# KiCad board atreyu.kicad_pcb
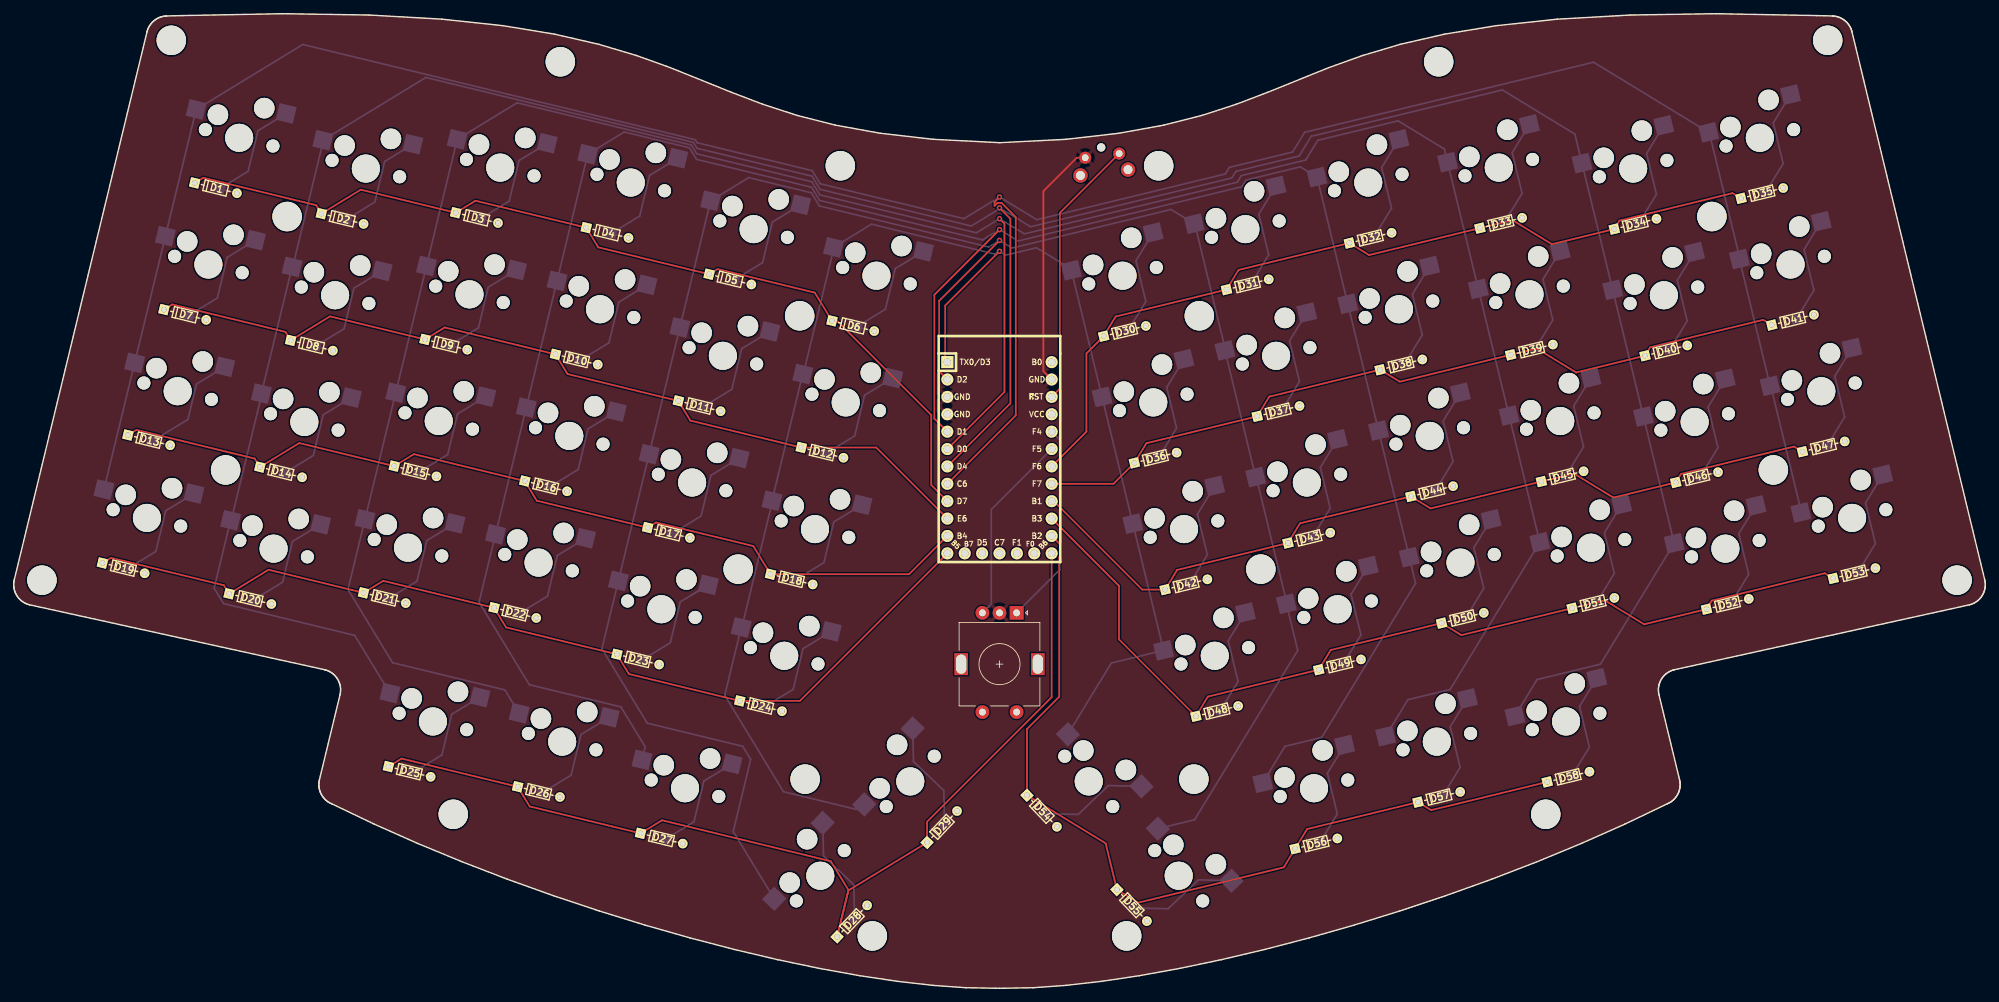
[diagram p0: board, top side]
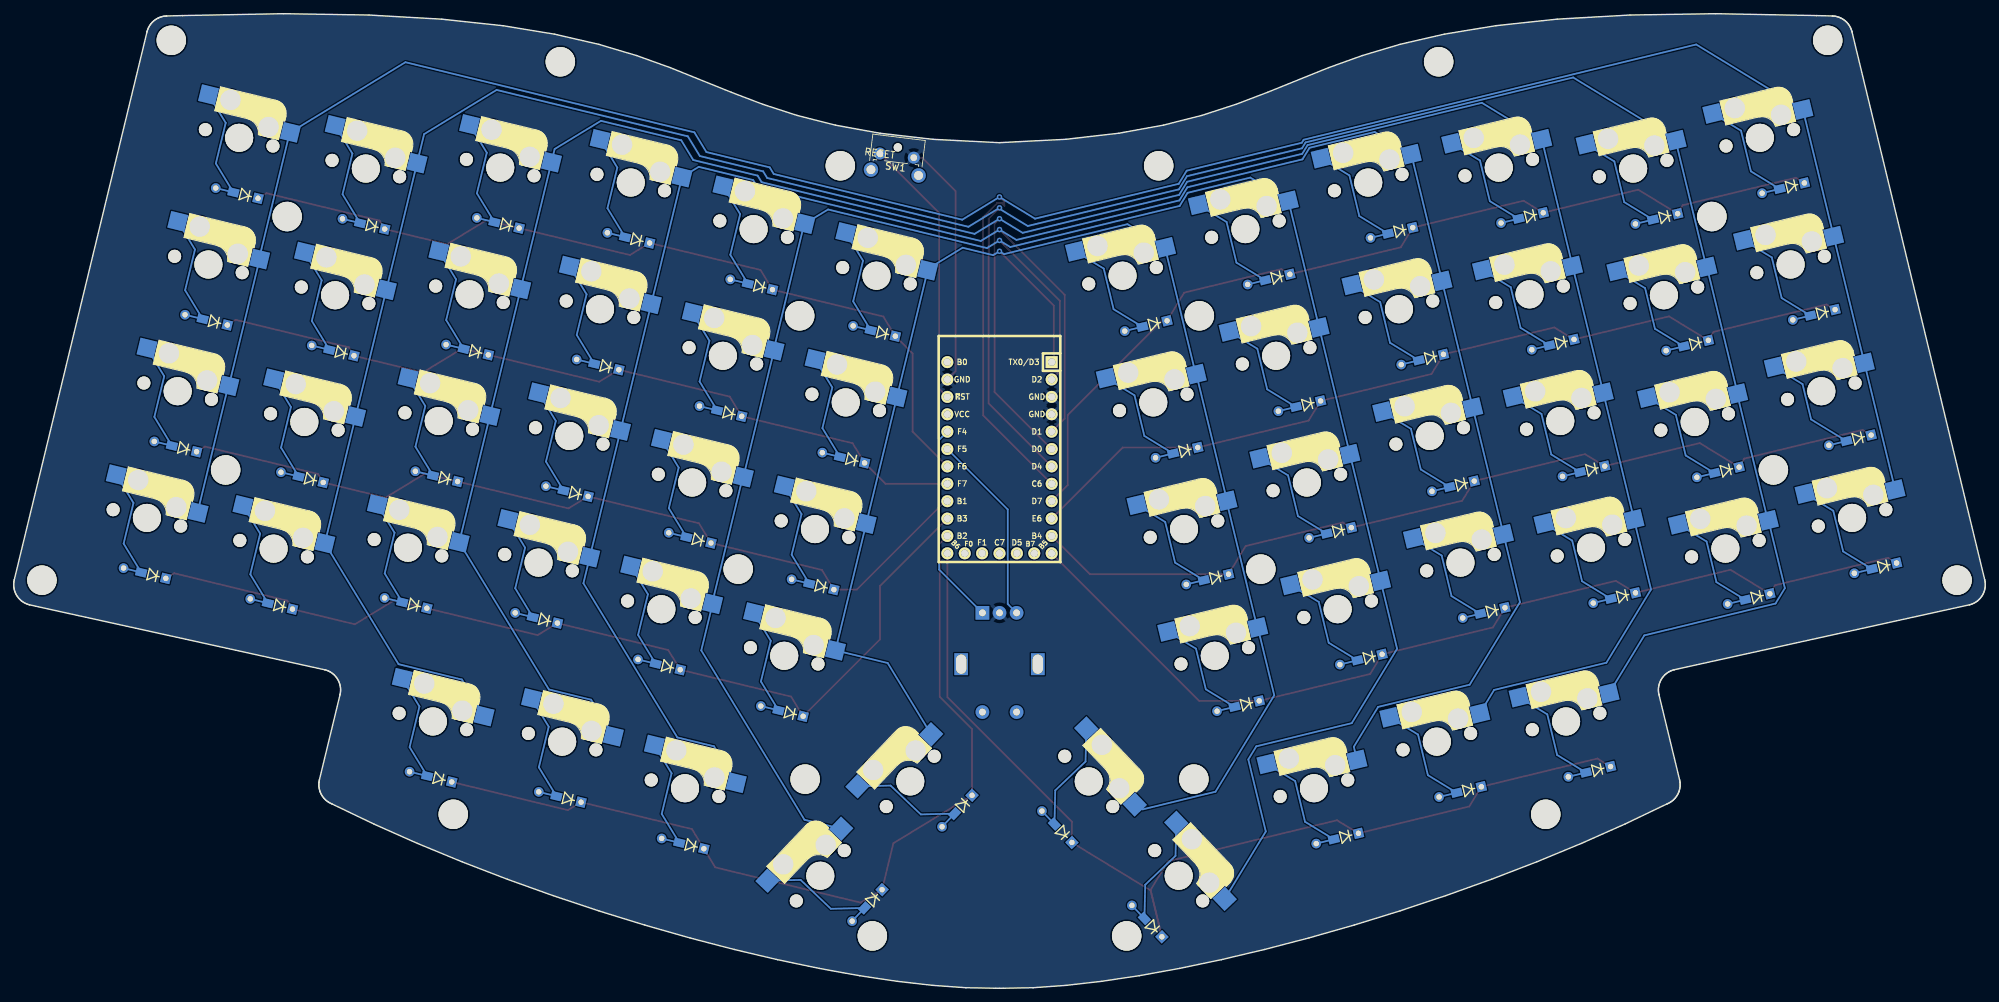
[diagram p1: board, bottom side, seen from below]

Outline 288.1 x 142.41 mm; copper layers: Top, Bottom. Coordinates in mm from the lower left corner of the outline.
Outline path: 0,58.94 0,59.09 0.01,59.24 0.03,59.39 0.05,59.54 0.09,59.7 19.48,139.76 19.52,139.89 19.55,140.01 19.6,140.13 19.64,140.24 19.69,140.36 19.75,140.47 19.81,140.58 19.87,140.68 19.94,140.78 20.02,140.88 20.09,140.98 20.17,141.07 20.25,141.16 20.34,141.25 20.43,141.33 20.52,141.41 20.62,141.48 20.72,141.55 20.82,141.62 20.93,141.68 21.04,141.74 21.14,141.79 21.26,141.84 21.37,141.89 21.49,141.93 21.61,141.97 21.73,142 21.85,142.02 21.97,142.05 22.1,142.06 22.23,142.07 22.35,142.08 24.68,142.14 39.38,142.41 51.92,142.22 62.54,141.61 71.51,140.66 79.07,139.41 85.49,137.94 91.03,136.29 95.94,134.53 104.91,130.91 109.48,129.17 114.45,127.56 120.08,126.13 126.63,124.94 134.35,124.06 144.05,123.57 153.75,124.06 161.47,124.94 168.02,126.13 173.65,127.56 178.62,129.17 183.19,130.91 192.16,134.53 197.07,136.29 202.6,137.94 209.03,139.41 216.59,140.66 225.56,141.61 236.18,142.22 248.71,142.41 263.42,142.14 265.75,142.08 265.87,142.07 266,142.06 266.13,142.05 266.25,142.02 266.37,142 266.49,141.97 266.61,141.93 266.73,141.89 266.84,141.84 266.95,141.79 267.06,141.74 267.17,141.68 267.28,141.62 267.38,141.55 267.48,141.48 267.57,141.41 267.67,141.33 267.76,141.25 267.84,141.16 267.93,141.07 268.01,140.98 268.08,140.88 268.16,140.78 268.22,140.68 268.29,140.58 268.35,140.47 268.4,140.36 268.46,140.24 268.5,140.13 268.55,140.01 268.58,139.89 268.62,139.76 288.01,59.7 288.05,59.54 288.07,59.39 288.09,59.24 288.1,59.09 288.1,58.94 288.09,58.79 288.08,58.64 288.06,58.49 288.03,58.35 288,58.2 287.96,58.06 287.91,57.93 287.85,57.79 287.79,57.66 287.73,57.53 287.65,57.4 287.58,57.28 287.49,57.16 287.4,57.05 287.31,56.94 287.2,56.83 287.1,56.73 286.99,56.63 286.87,56.54 286.75,56.46 286.62,56.38 286.49,56.31 286.36,56.24 286.22,56.18 286.08,56.12 285.93,56.08 285.78,56.03 242.65,46.55 242.5,46.51 242.35,46.46 242.21,46.4 242.07,46.34 241.93,46.28 241.8,46.2 241.68,46.12 241.56,46.04 241.44,45.95 241.33,45.85 241.22,45.75 241.12,45.65 241.03,45.54 240.94,45.42 240.85,45.3 240.77,45.18 240.7,45.05 240.64,44.92 240.57,44.79 240.52,44.66 240.47,44.52 240.43,44.38 240.4,44.24 240.37,44.09 240.35,43.94 240.34,43.8 240.33,43.65 240.33,43.5 240.34,43.34 240.36,43.19 240.38,43.04 240.42,42.89 243.42,30.48 243.45,30.34 243.48,30.21 243.49,30.07 243.5,29.93 243.51,29.8 243.51,29.66 243.5,29.53 243.49,29.39 243.47,29.26 243.44,29.13 243.41,29 243.37,28.87 243.33,28.75 243.29,28.63 243.23,28.5 243.18,28.39 243.11,28.27 243.05,28.16 242.97,28.05 242.9,27.94 242.81,27.83 242.73,27.73 242.64,27.64 242.54,27.54 242.44,27.45 242.34,27.37 242.23,27.29 242.11,27.21 242,27.14 241.88,27.08 241.75,27.01 241.62,26.96 235.46,24.01 229.1,21.18 222.58,18.49 215.96,15.94 209.27,13.54 202.57,11.31 195.89,9.24 189.29,7.36 182.8,5.67 176.48,4.19 170.38,2.91 164.52,1.85 158.97,1.02 153.77,0.43 148.96,0.09 144.05,0 139.13,0.09 134.33,0.43 129.12,1.02 123.57,1.85 117.72,2.91 111.61,4.19 105.3,5.67 98.81,7.36 92.21,9.24 85.53,11.31 78.83,13.54 72.14,15.94 65.51,18.49 59,21.18 52.64,24.01 46.47,26.96 46.35,27.01 46.22,27.08 46.1,27.14 45.98,27.21 45.87,27.29 45.76,27.37 45.66,27.45 45.56,27.54 45.46,27.64 45.37,27.73 45.28,27.83 45.2,27.94 45.13,28.05 45.05,28.16 44.99,28.27 44.92,28.39 44.86,28.5 44.81,28.63 44.77,28.75 44.72,28.87 44.69,29 44.66,29.13 44.63,29.26 44.61,29.39 44.6,29.53 44.59,29.66 44.59,29.8 44.59,29.93 44.61,30.07 44.62,30.21 44.65,30.34 44.68,30.48 47.68,42.89 47.71,43.04 47.74,43.19 47.76,43.34 47.77,43.5 47.77,43.65 47.76,43.8 47.75,43.94 47.73,44.09 47.7,44.24 47.67,44.38 47.63,44.52 47.58,44.66 47.52,44.79 47.46,44.92 47.4,45.05 47.32,45.18 47.24,45.3 47.16,45.42 47.07,45.54 46.97,45.65 46.87,45.75 46.77,45.85 46.66,45.95 46.54,46.04 46.42,46.12 46.29,46.2 46.16,46.28 46.03,46.34 45.89,46.4 45.75,46.46 45.6,46.51 45.45,46.55 2.32,56.03 2.17,56.08 2.02,56.12 1.88,56.18 1.74,56.24 1.6,56.31 1.47,56.38 1.35,56.46 1.23,56.54 1.11,56.63 1,56.73 0.89,56.83 0.79,56.94 0.7,57.05 0.61,57.16 0.52,57.28 0.44,57.4 0.37,57.53 0.3,57.66 0.24,57.79 0.19,57.93 0.14,58.06 0.1,58.2 0.07,58.35 0.04,58.49 0.02,58.64 0.01,58.79 0,58.94

## Placement (name value [footprint] x y rotation side)
D1  D_Small  [D3_hybrid_common_hole]  26.45 117.68 346.4 top
D2  D_Small  [D3_hybrid_common_hole]  44.96 113.19 346.4 top
D3  D_Small  [D3_hybrid_common_hole]  64.59 113.33 346.4 top
D4  D_Small  [D3_hybrid_common_hole]  83.67 111.15 346.4 top
D5  D_Small  [D3_hybrid_common_hole]  101.62 104.34 346.4 top
D6  D_Small  [D3_hybrid_common_hole]  119.57 97.54 346.4 top
D7  D_Small  [D3_hybrid_common_hole]  21.95 99.17 346.4 top
D8  D_Small  [D3_hybrid_common_hole]  40.47 94.68 346.4 top
D9  D_Small  [D3_hybrid_common_hole]  60.1 94.81 346.4 top
D10  D_Small  [D3_hybrid_common_hole]  79.18 92.64 346.4 top
D11  D_Small  [D3_hybrid_common_hole]  97.13 85.83 346.4 top
D12  D_Small  [D3_hybrid_common_hole]  115.08 79.02 346.4 top
D13  D_Small  [D3_hybrid_common_hole]  16.69 80.84 346.4 top
D14  D_Small  [D3_hybrid_common_hole]  35.97 76.17 346.4 top
D15  D_Small  [D3_hybrid_common_hole]  55.61 76.3 346.4 top
D16  D_Small  [D3_hybrid_common_hole]  74.68 74.12 346.4 top
D17  D_Small  [D3_hybrid_common_hole]  92.63 67.32 346.4 top
D18  D_Small  [D3_hybrid_common_hole]  110.59 60.51 346.4 top
D19  D_Small  [D3_hybrid_common_hole]  12.97 62.14 346.4 top
D20  D_Small  [D3_hybrid_common_hole]  31.48 57.65 346.4 top
D21  D_Small  [D3_hybrid_common_hole]  51.12 57.79 346.4 top
D22  D_Small  [D3_hybrid_common_hole]  70.19 55.61 346.4 top
D23  D_Small  [D3_hybrid_common_hole]  88.14 48.8 346.4 top
D24  D_Small  [D3_hybrid_common_hole]  106.09 42 346.4 top
D25  D_Small  [D3_hybrid_common_hole]  54.76 32.4 346.4 top
D26  D_Small  [D3_hybrid_common_hole]  73.65 29.45 346.4 top
D27  D_Small  [D3_hybrid_common_hole]  91.6 22.65 346.4 top
D28  D_Small  [D3_hybrid_common_hole]  120.32 7.52 46.4 top
D29  D_Small  [D3_hybrid_common_hole]  133.47 21.31 46.4 top
D30  D_Small  [D3_hybrid_common_hole]  159.27 95.29 13.6 top
D31  D_Small  [D3_hybrid_common_hole]  177.22 102.1 13.6 top
D32  D_Small  [D3_hybrid_common_hole]  195.17 108.9 13.6 top
D33  D_Small  [D3_hybrid_common_hole]  214.25 111.08 13.6 top
D34  D_Small  [D3_hybrid_common_hole]  233.88 110.94 13.6 top
D35  D_Small  [D3_hybrid_common_hole]  252.4 115.44 13.6 top
D36  D_Small  [D3_hybrid_common_hole]  163.76 76.78 13.6 top
D37  D_Small  [D3_hybrid_common_hole]  181.71 83.58 13.6 top
D38  D_Small  [D3_hybrid_common_hole]  199.67 90.39 13.6 top
D39  D_Small  [D3_hybrid_common_hole]  218.74 92.57 13.6 top
D40  D_Small  [D3_hybrid_common_hole]  238.38 92.43 13.6 top
D41  D_Small  [D3_hybrid_common_hole]  256.89 96.92 13.6 top
D42  D_Small  [D3_hybrid_common_hole]  168.26 58.26 13.6 top
D43  D_Small  [D3_hybrid_common_hole]  186.21 65.07 13.6 top
D44  D_Small  [D3_hybrid_common_hole]  204.16 71.88 13.6 top
D45  D_Small  [D3_hybrid_common_hole]  223.23 74.05 13.6 top
D46  D_Small  [D3_hybrid_common_hole]  242.87 73.92 13.6 top
D47  D_Small  [D3_hybrid_common_hole]  261.38 78.41 13.6 top
D48  D_Small  [D3_hybrid_common_hole]  172.75 39.75 13.6 top
D49  D_Small  [D3_hybrid_common_hole]  190.7 46.56 13.6 top
D50  D_Small  [D3_hybrid_common_hole]  208.65 53.36 13.6 top
D51  D_Small  [D3_hybrid_common_hole]  227.72 55.54 13.6 top
D52  D_Small  [D3_hybrid_common_hole]  247.36 55.41 13.6 top
D53  D_Small  [D3_hybrid_common_hole]  265.87 59.9 13.6 top
D54  D_Small  [D3_hybrid_common_hole]  148.06 28.2 313.6 top
D55  D_Small  [D3_hybrid_common_hole]  161.2 14.42 313.6 top
D56  D_Small  [D3_hybrid_common_hole]  187.25 20.4 13.6 top
D57  D_Small  [D3_hybrid_common_hole]  205.2 27.21 13.6 top
D58  D_Small  [D3_hybrid_common_hole]  224.08 30.16 13.6 top
H1  MountingHole  [spacer_m2]  120.79 120.19 0 top
H2  MountingHole  [spacer_m2]  257.13 75.75 13.6 top
H3  MountingHole  [spacer_m2]  114.85 98.27 346.4 top
H4  MountingHole  [spacer_m2]  265.07 138.52 180 bottom
H5  MountingHole  [spacer_m2]  64.23 25.43 0 top
H6  MountingHole  [spacer_m2]  115.65 30.56 0 top
H7  MountingHole  [spacer_m2]  283.97 59.64 180 bottom
H8  MountingHole  [spacer_m2]  30.97 75.75 346.4 top
H9  MountingHole  [spacer_m2]  4.13 59.64 0 top
H10  MountingHole  [spacer_m2]  125.47 7.66 0 top
H11  MountingHole  [spacer_m2]  208.22 135.39 180 bottom
H12  MountingHole  [spacer_m2]  223.86 25.43 180 bottom
H13  MountingHole  [spacer_m2]  167.31 120.19 180 bottom
H14  MountingHole  [spacer_m2]  23.03 138.52 0 top
H15  MountingHole  [spacer_m2]  79.88 135.39 0 top
H16  MountingHole  [spacer_m2]  172.45 30.56 180 bottom
H17  MountingHole  [spacer_m2]  182.23 61.25 13.6 top
H18  MountingHole  [spacer_m2]  162.63 7.66 180 bottom
H19  MountingHole  [spacer_m2]  248.14 112.77 13.6 top
H20  MountingHole  [spacer_m2]  173.25 98.27 13.6 top
H21  MountingHole  [spacer_m2]  39.96 112.77 346.4 top
H22  MountingHole  [spacer_m2]  105.86 61.25 346.4 top
MX1  MX-NoLED  [CherryMX_Hotswap]  32.95 124.27 346.4 top
MX2  MX-NoLED  [CherryMX_Hotswap]  51.46 119.78 346.4 top
MX3  MX-NoLED  [CherryMX_Hotswap]  71.09 119.92 346.4 top
MX4  MX-NoLED  [CherryMX_Hotswap]  90.17 117.74 346.4 top
MX5  MX-NoLED  [CherryMX_Hotswap]  108.12 110.93 346.4 top
MX6  MX-NoLED  [CherryMX_Hotswap]  126.07 104.13 346.4 top
MX7  MX-NoLED  [CherryMX_Hotswap]  28.45 105.76 346.4 top
MX8  MX-NoLED  [CherryMX_Hotswap]  46.97 101.27 346.4 top
MX9  MX-NoLED  [CherryMX_Hotswap]  66.6 101.4 346.4 top
MX10  MX-NoLED  [CherryMX_Hotswap]  85.68 99.23 346.4 top
MX11  MX-NoLED  [CherryMX_Hotswap]  103.63 92.42 346.4 top
MX12  MX-NoLED  [CherryMX_Hotswap]  121.58 85.61 346.4 top
MX13  MX-NoLED  [CherryMX_Hotswap]  23.96 87.25 346.4 top
MX14  MX-NoLED  [CherryMX_Hotswap]  42.47 82.76 346.4 top
MX15  MX-NoLED  [CherryMX_Hotswap]  62.11 82.89 346.4 top
MX16  MX-NoLED  [CherryMX_Hotswap]  81.18 80.71 346.4 top
MX17  MX-NoLED  [CherryMX_Hotswap]  99.13 73.91 346.4 top
MX18  MX-NoLED  [CherryMX_Hotswap]  117.09 67.1 346.4 top
MX19  MX-NoLED  [CherryMX_Hotswap]  19.47 68.74 346.4 top
MX20  MX-NoLED  [CherryMX_Hotswap]  37.98 64.24 346.4 top
MX21  MX-NoLED  [CherryMX_Hotswap]  57.62 64.38 346.4 top
MX22  MX-NoLED  [CherryMX_Hotswap]  76.69 62.2 346.4 top
MX23  MX-NoLED  [CherryMX_Hotswap]  94.64 55.39 346.4 top
MX24  MX-NoLED  [CherryMX_Hotswap]  112.59 48.59 346.4 top
MX25  MX-NoLED  [CherryMX_Hotswap]  61.26 38.99 346.4 top
MX26  MX-NoLED  [CherryMX_Hotswap]  80.15 36.04 346.4 top
MX27  MX-NoLED  [CherryMX_Hotswap]  98.1 29.24 346.4 top
MX28  MX-NoLED  [CherryMX_Hotswap]  117.86 16.45 46.4 top
MX29  MX-NoLED  [CherryMX_Hotswap]  131.01 30.23 46.4 top
MX30  MX-NoLED  [CherryMX_Hotswap]  162.03 104.13 13.6 top
MX31  MX-NoLED  [CherryMX_Hotswap]  179.98 110.93 13.6 top
MX32  MX-NoLED  [CherryMX_Hotswap]  197.93 117.74 13.6 top
MX33  MX-NoLED  [CherryMX_Hotswap]  217 119.92 13.6 top
MX34  MX-NoLED  [CherryMX_Hotswap]  236.64 119.78 13.6 top
MX35  MX-NoLED  [CherryMX_Hotswap]  255.15 124.27 13.6 top
MX36  MX-NoLED  [CherryMX_Hotswap]  166.52 85.61 13.6 top
MX37  MX-NoLED  [CherryMX_Hotswap]  184.47 92.42 13.6 top
MX38  MX-NoLED  [CherryMX_Hotswap]  202.42 99.23 13.6 top
MX39  MX-NoLED  [CherryMX_Hotswap]  221.5 101.4 13.6 top
MX40  MX-NoLED  [CherryMX_Hotswap]  241.13 101.27 13.6 top
MX41  MX-NoLED  [CherryMX_Hotswap]  259.65 105.76 13.6 top
MX42  MX-NoLED  [CherryMX_Hotswap]  171.01 67.1 13.6 top
MX43  MX-NoLED  [CherryMX_Hotswap]  188.96 73.91 13.6 top
MX44  MX-NoLED  [CherryMX_Hotswap]  206.91 80.71 13.6 top
MX45  MX-NoLED  [CherryMX_Hotswap]  225.99 82.89 13.6 top
MX46  MX-NoLED  [CherryMX_Hotswap]  245.62 82.76 13.6 top
MX47  MX-NoLED  [CherryMX_Hotswap]  264.14 87.25 13.6 top
MX48  MX-NoLED  [CherryMX_Hotswap]  175.5 48.59 13.6 top
MX49  MX-NoLED  [CherryMX_Hotswap]  193.46 55.39 13.6 top
MX50  MX-NoLED  [CherryMX_Hotswap]  211.41 62.2 13.6 top
MX51  MX-NoLED  [CherryMX_Hotswap]  230.48 64.38 13.6 top
MX52  MX-NoLED  [CherryMX_Hotswap]  250.12 64.24 13.6 top
MX53  MX-NoLED  [CherryMX_Hotswap]  268.63 68.74 13.6 top
MX54  MX-NoLED  [CherryMX_Hotswap]  157.09 30.23 313.6 top
MX55  MX-NoLED  [CherryMX_Hotswap]  170.24 16.45 313.6 top
MX56  MX-NoLED  [CherryMX_Hotswap]  190 29.24 13.6 top
MX57  MX-NoLED  [CherryMX_Hotswap]  207.95 36.04 13.6 top
MX58  MX-NoLED  [CherryMX_Hotswap]  226.84 38.99 13.6 top
SW1  SW_Push  [SW_Tactile_SPST_Angled_MJTP1117]  161.54 121.98 187 bottom
SW2  RotaryEncoder_Switch  [RotaryEncoder_EC11]  144.05 47.37 270 top
U1  -  [Elite-C]  144.05 77.53 270 top

## Footprints (pads in the part's own frame, mm; a bottom-side part is the same pattern mirrored in y, then rotated)
CherryMX_Hotswap
  round 1.9 hole 1.9 unplated: (-5.08,0) (5.08,0)
  round 3 hole 3 unplated: (-3.81,2.54) (2.54,5.08)
  round 4.1 hole 4.1 unplated: (0,0)
  rect 2.55x2.5 smd far side: 1(-7.085,2.54) 2(5.842,5.08)
D3_hybrid_common_hole
  rect 1.4x1.4 hole 0.8: 1(0,0)
  rect 1.6x1.2 smd far side: 2(3.7,0)
  round 1.4 hole 0.8: 2(6.35,0)
Elite-C
  rect 1.753x1.753 hole 1.092: 1(-13.97,-7.62)
  round 1.753 hole 1.092: 2(-11.43,-7.62) 3(-8.89,-7.62) 4(-6.35,-7.62) 5(-3.81,-7.62) 6(-1.27,-7.62) 7(1.27,-7.62) 8(3.81,-7.62) 9(6.35,-7.62) 10(8.89,-7.62) 11(11.43,-7.62) 12(13.97,-7.62) 13(13.97,7.62) 14(11.43,7.62) 15(8.89,7.62) 16(6.35,7.62) 17(3.81,7.62) 18(1.27,7.62) 19(-1.27,7.62) 20(-3.81,7.62) 21(-6.35,7.62) 22(-8.89,7.62) 23(-11.43,7.62) 24(-13.97,7.62) 25(13.97,-5.08) 26(13.97,-2.54) 27(13.97,0) 28(13.97,2.54) 29(13.97,5.08)
RotaryEncoder_EC11
  rect 3.2x2 hole 2.8x1.5 unplated: (0,5.6) (0,-5.6)
  rect 2x2 hole 1: A(-7.5,2.5)
  round 2 hole 1: B(-7.5,-2.5) C(-7.5,0) S1(7,-2.5) S2(7,2.5)
spacer_m2
  round 4.3 hole 4.3 unplated: (0,0)
SW_Tactile_SPST_Angled_MJTP1117
  round 2.1 hole 1.3: (-1,-2.49) (6.01,-2.49)
  round 1.2 hole 1.2 unplated: (2.5,1.21)
  round 1.75 hole 0.99: 1(0,0) 2(5,0)

## Nets
GND: SW1.2 SW2.C U1.3 U1.4 U1.23
VCC: U1.21
COL0: MX1.1 MX7.1 MX13.1 MX19.1 MX35.1 MX41.1 MX47.1 MX53.1 U1.8
COL1: MX2.1 MX8.1 MX14.1 MX20.1 MX25.1 MX34.1 MX40.1 MX46.1 MX52.1 MX58.1 U1.7
COL2: MX3.1 MX9.1 MX15.1 MX21.1 MX26.1 MX33.1 MX39.1 MX45.1 MX51.1 MX57.1 U1.6
COL3: MX4.1 MX10.1 MX16.1 MX22.1 MX27.1 MX32.1 MX38.1 MX44.1 MX50.1 MX56.1 U1.5
COL4: MX5.1 MX11.1 MX17.1 MX23.1 MX28.1 MX31.1 MX37.1 MX43.1 MX49.1 MX55.1 U1.2
COL5: MX6.1 MX12.1 MX18.1 MX24.1 MX29.1 MX30.1 MX36.1 MX42.1 MX48.1 MX54.1 U1.1
ENCA: SW2.A U1.20
ENCB: SW2.B U1.19
ENCC: U1.24
ROW0: D1.1 D2.1 D3.1 D4.1 D5.1 D6.1 U1.9
ROW1: D7.1 D8.1 D9.1 D10.1 D11.1 D12.1 U1.10
ROW2: D13.1 D14.1 D15.1 D16.1 D17.1 D18.1 U1.11
ROW3: D19.1 D20.1 D21.1 D22.1 D23.1 D24.1 U1.12
ROW4: D25.1 D26.1 D27.1 D28.1 D29.1 U1.13
ROW5: D54.1 D55.1 D56.1 D57.1 D58.1 U1.14
ROW6: D48.1 D49.1 D50.1 D51.1 D52.1 D53.1 U1.15
ROW7: D42.1 D43.1 D44.1 D45.1 D46.1 D47.1 U1.16
ROW8: D36.1 D37.1 D38.1 D39.1 D40.1 D41.1 U1.17
ROW9: D30.1 D31.1 D32.1 D33.1 D34.1 D35.1 U1.18
Net-(D1-Pad2): D1.2 MX1.2
Net-(D2-Pad2): D2.2 MX2.2
Net-(D3-Pad2): D3.2 MX3.2
Net-(D4-Pad2): D4.2 MX4.2
Net-(D5-Pad2): D5.2 MX5.2
Net-(D6-Pad2): D6.2 MX6.2
Net-(D7-Pad2): D7.2 MX7.2
Net-(D8-Pad2): D8.2 MX8.2
Net-(D9-Pad2): D9.2 MX9.2
Net-(D10-Pad2): D10.2 MX10.2
Net-(D11-Pad2): D11.2 MX11.2
Net-(D12-Pad2): D12.2 MX12.2
Net-(D13-Pad2): D13.2 MX13.2
Net-(D14-Pad2): D14.2 MX14.2
Net-(D15-Pad2): D15.2 MX15.2
Net-(D16-Pad2): D16.2 MX16.2
Net-(D17-Pad2): D17.2 MX17.2
Net-(D18-Pad2): D18.2 MX18.2
Net-(D19-Pad2): D19.2 MX19.2
Net-(D20-Pad2): D20.2 MX20.2
Net-(D21-Pad2): D21.2 MX21.2
Net-(D22-Pad2): D22.2 MX22.2
Net-(D23-Pad2): D23.2 MX23.2
Net-(D24-Pad2): D24.2 MX24.2
Net-(D25-Pad2): D25.2 MX25.2
Net-(D26-Pad2): D26.2 MX26.2
Net-(D27-Pad2): D27.2 MX27.2
Net-(D28-Pad2): D28.2 MX28.2
Net-(D29-Pad2): D29.2 MX29.2
Net-(D30-Pad2): D30.2 MX30.2
Net-(D31-Pad2): D31.2 MX31.2
Net-(D32-Pad2): D32.2 MX32.2
Net-(D33-Pad2): D33.2 MX33.2
Net-(D34-Pad2): D34.2 MX34.2
Net-(D35-Pad2): D35.2 MX35.2
Net-(D36-Pad2): D36.2 MX36.2
Net-(D37-Pad2): D37.2 MX37.2
Net-(D38-Pad2): D38.2 MX38.2
Net-(D39-Pad2): D39.2 MX39.2
Net-(D40-Pad2): D40.2 MX40.2
Net-(D41-Pad2): D41.2 MX41.2
Net-(D42-Pad2): D42.2 MX42.2
Net-(D43-Pad2): D43.2 MX43.2
Net-(D44-Pad2): D44.2 MX44.2
Net-(D45-Pad2): D45.2 MX45.2
Net-(D46-Pad2): D46.2 MX46.2
Net-(D47-Pad2): D47.2 MX47.2
Net-(D48-Pad2): D48.2 MX48.2
Net-(D49-Pad2): D49.2 MX49.2
Net-(D50-Pad2): D50.2 MX50.2
Net-(D51-Pad2): D51.2 MX51.2
Net-(D52-Pad2): D52.2 MX52.2
Net-(D53-Pad2): D53.2 MX53.2
Net-(D54-Pad2): D54.2 MX54.2
Net-(D55-Pad2): D55.2 MX55.2
Net-(D56-Pad2): D56.2 MX56.2
Net-(D57-Pad2): D57.2 MX57.2
Net-(D58-Pad2): D58.2 MX58.2
Net-(SW1-Pad1): SW1.1 U1.22

Pads without a net: SW2 S1 S2; U1 25 26 27 28 29

## Via types
v1: diameter 0.8, hole 0.4, Top to Bottom, 6 vias

## Routing (per net, layer and track width the routed paths; a pad name or vN(x,y) marks a point on that pad's centre or on a via; arc(x,y) is an arc through that point)
GND: length 36.2
  Top w0.25: SW1.2 155.34,121.37 150.47,116.5 150.47,90.16 U1.23
COL0: length 400.2
  Top w0.25: v1(144.05,115.63) 143.32,114.9 143.32,114.34 143.75,114.76 144.35,114.76 146.43,112.68 146.43,83.72 U1.8
  Bottom w0.25: MX19.1 17.67,91.39 MX7.1 MX1.1 42.25,137.91 99.61,123.99 99.88,123.55 116.69,119.47 117.86,117.55 138.85,112.46 v1(144.05,115.63) 149.49,112.31 177.04,119 177.62,119.95 186.88,122.2 188.63,125.08 230.85,135.32 MX35.1 247.77,125.01 252.22,106.66 MX41.1 MX47.1 256.76,87.98 261.21,69.64 MX53.1
COL1: length 436.3
  Top w0.25: v1(144.05,114.04) 145.64,112.45 145.64,85.47 U1.7
  Bottom w0.25: 143.75,113.72 139.91,111.39 117.83,116.75 116.66,118.66 99.84,122.74 99.32,123.6 60.22,133.09 MX2.1 45.23,123.82 40.78,105.47 MX8.1 MX14.1 36.25,86.79 31.8,68.44 MX20.1 29.29,58.47 30.66,56.22 49.83,51.57 MX25.1 ; v1(144.05,114.04) 148.59,111.27 178,118.41 178.58,119.37 187.84,121.62 189.59,124.49 217.53,131.27 228.13,124.81 MX34.1 MX40.1 MX46.1 MX52.1 231.86,47.37 222.61,45.12 MX58.1
COL2: length 390.9
  Top w0.25: v1(144.05,112.45) 144.77,111.73 144.77,87.14 U1.6
  Bottom w0.25: MX57.1 203.72,42.17 209.89,43.67 MX51.1 MX45.1 MX39.1 MX33.1 209.05,122.63 202.29,126.76 190.55,123.91 188.8,121.03 179.39,118.75 178.81,117.79 147.68,110.24 v1(144.05,112.45) 140.66,110.39 117.8,115.94 116.63,117.85 99.81,121.93 99.04,123.21 73.56,129.39 MX3.1 MX9.1 MX15.1 MX21.1 48.85,58.28 55.37,47.58 71.78,43.6 MX26.1
COL3: length 351.5
  Top w0.25: U1.5 134.52,83.24 134.52,101.34 v1(144.05,110.87)
  Bottom w0.25: MX27.1 92.28,35.29 88.73,41.12 75.35,44.36 68,56.42 MX22.1 MX16.1 MX10.1 MX4.1 89.21,125.13 98.75,122.81 99.78,121.13 116.59,117.05 117.76,115.13 141.57,109.35 v1(144.05,110.87) 146.78,109.2 179.46,117.13 180.05,118.11 187.99,120.03 MX32.1 MX38.1 MX44.1 MX50.1 204.85,59.18 191.13,36.67 185.77,35.36 MX56.1
COL4: length 317.8
  Top w0.25: U1.2 135.23,90.16 135.23,100.46 v1(144.05,109.28)
  Bottom w0.25: MX28.1 105.14,22.91 107.69,33.44 106.52,35.36 92.58,38.74 85.95,49.62 MX23.1 MX17.1 MX11.1 MX5.1 107.39,118.46 116.56,116.24 117.73,114.32 142.47,108.32 v1(144.05,109.28) 145.87,108.17 169.1,113.8 MX31.1 172.6,111.67 177.05,93.32 MX37.1 MX43.1 181.58,74.64 186.03,56.29 MX49.1 187.63,49.37 172.55,24.63 MX55.1
COL5: length 230.8
  Top w0.25: v1(144.05,107.69) 136.11,99.75 136.11,91.82 U1.1
  Bottom w0.25: MX54.1 160.39,47.53 MX48.1 MX42.1 MX36.1 MX30.1 154.49,105.13 149.44,108.21 144.97,107.13 v1(144.05,107.69) 143.37,107.28 125.35,111.65 MX6.1 119.85,108.16 115.39,89.81 MX12.1 MX18.1 110.86,71.14 106.41,52.79 MX24.1 103.9,42.81 112.49,28.72 123.11,26.15 MX29.1
ENCA: length 29.6
  Bottom w0.25: U1.20 152.87,80.14 152.87,61.19 SW2.A
ENCB: length 28.1
  Bottom w0.25: SW2.B 142.85,56.16 142.85,69.98 U1.19
ROW0: length 135.7
  Top w0.25: D1.1 27.68,118.44 44.2,114.43 D2.1 50.71,116.7 D3.1 67.47,115.08 D4.1 85.42,108.27 D5.1 102.86,105.1 117.06,101.65 D6.1 120.31,97.54 134.07,83.77 134.07,73.53 U1.9
ROW1: length 126.7
  Top w0.25: D7.1 23.19,99.92 39.71,95.92 D8.1 46.22,98.18 D9.1 62.98,96.57 D10.1 80.93,89.76 D11.1 98.88,82.95 D12.1 126.04,79.02 U1.10
ROW2: length 130.8
  Top w0.25: D13.1 17.93,81.6 35.22,77.4 D14.1 41.72,79.67 D15.1 58.49,78.05 D16.1 76.44,71.25 D17.1 93.87,68.07 108.08,64.62 D18.1 130.84,60.51 U1.11
ROW3: length 140.3
  Top w0.25: U1.12 114.87,42 D24.1 89.9,45.93 D23.1 71.94,52.73 D22.1 53.99,59.54 D21.1 37.23,61.16 D20.1 30.73,58.89 14.21,62.9 D19.1
ROW4: length 151
  Top w0.25: U1.13 151.67,42.55 133.47,24.35 D29.1 121.96,14.3 D28.1 121.98,14.35 119.41,18.57 94.73,24.56 D27.1 75.4,26.58 D26.1 56.68,33.57 D25.1
ROW5: length 129.3
  Top w0.25: D58.1 207.11,26.04 D57.1 189,23.27 D56.1 185.59,17.68 164.32,12.52 D55.1 159.56,21.19 D54.1 148.06,37.88 152.78,42.6 152.78,62.97 152.87,63.06 152.87,64.9 U1.14
ROW6: length 138.6
  Top w0.25: U1.15 161.51,58.8 161.51,50.99 D48.1 174.5,42.63 D49.1 192.45,49.43 D50.1 211.53,51.61 D51.1 232.49,56.7 238.24,53.19 D52.1 248.11,56.64 264.64,60.65 D53.1
ROW7: length 123
  Top w0.25: U1.16 151.99,71.18 164.9,58.26 D42.1 170.01,61.14 D43.1 187.96,67.95 D44.1 207.03,70.12 D45.1 228,75.21 233.75,71.71 D46.1 243.62,75.16 260.14,79.17 D47.1
ROW8: length 114.4
  Top w0.25: U1.17 160.7,73.72 D36.1 165.52,79.65 D37.1 183.47,86.46 D38.1 202.54,88.64 D39.1 222.55,93.49 228.3,89.99 D40.1 239.13,93.67 255.65,97.68 D41.1
ROW9: length 123.2
  Top w0.25: U1.18 156.75,81.34 156.75,92.77 D30.1 161.02,98.16 D31.1 178.97,104.97 D32.1 198.05,107.15 D33.1 219.01,112.24 224.76,108.73 D34.1 234.64,112.18 251.16,116.19 D35.1
Net-(D1-Pad2): length 18.5
  Bottom w0.25: D1.2 D1.2 34.25,119.38 35.69,125.32 MX1.2
Net-(D2-Pad2): length 18.5
  Bottom w0.25: D2.2 D2.2 52.77,114.88 54.21,120.83 MX2.2
Net-(D3-Pad2): length 18.5
  Bottom w0.25: D3.2 D3.2 72.4,115.02 73.84,120.96 MX3.2
Net-(D4-Pad2): length 18.5
  Bottom w0.25: D4.2 D4.2 91.48,112.84 92.92,118.78 MX4.2
Net-(D5-Pad2): length 18.5
  Bottom w0.25: D5.2 D5.2 109.43,106.04 110.87,111.98 MX5.2
Net-(D6-Pad2): length 18.5
  Bottom w0.25: D6.2 D6.2 127.38,99.23 128.82,105.17 MX6.2
Net-(D7-Pad2): length 18.5
  Bottom w0.25: MX7.2 31.2,106.8 29.76,100.86 D7.2 D7.2
Net-(D8-Pad2): length 18.5
  Bottom w0.25: MX8.2 49.71,102.31 48.27,96.37 D8.2 D8.2
Net-(D9-Pad2): length 18.5
  Bottom w0.25: MX9.2 69.35,102.45 67.91,96.51 D9.2 D9.2
Net-(D10-Pad2): length 18.5
  Bottom w0.25: MX10.2 88.42,100.27 86.98,94.33 D10.2 D10.2
Net-(D11-Pad2): length 18.5
  Bottom w0.25: MX11.2 106.38,93.46 104.93,87.52 D11.2 D11.2
Net-(D12-Pad2): length 18.5
  Bottom w0.25: MX12.2 124.33,86.66 122.89,80.72 D12.2 D12.2
Net-(D13-Pad2): length 18.9
  Bottom w0.25: D13.2 D13.2 25.45,83.12 26.71,88.29 MX13.2
Net-(D14-Pad2): length 18.5
  Bottom w0.25: MX14.2 45.22,83.8 43.78,77.86 D14.2 D14.2
Net-(D15-Pad2): length 18.5
  Bottom w0.25: MX15.2 64.86,83.94 63.42,77.99 D15.2 D15.2
Net-(D16-Pad2): length 18.5
  Bottom w0.25: D16.2 D16.2 82.49,75.82 83.93,81.76 MX16.2
Net-(D17-Pad2): length 18.5
  Bottom w0.25: MX17.2 101.88,74.95 100.44,69.01 D17.2 D17.2
Net-(D18-Pad2): length 18.5
  Bottom w0.25: MX18.2 119.83,68.14 118.39,62.2 D18.2 D18.2
Net-(D19-Pad2): length 18.5
  Bottom w0.25: D19.2 D19.2 20.78,63.84 22.22,69.78 MX19.2
Net-(D20-Pad2): length 18.5
  Bottom w0.25: MX20.2 40.73,65.29 39.29,59.35 D20.2 D20.2
Net-(D21-Pad2): length 18.5
  Bottom w0.25: MX21.2 60.37,65.42 58.92,59.48 D21.2 D21.2
Net-(D22-Pad2): length 18.5
  Bottom w0.25: MX22.2 79.44,63.24 78,57.3 D22.2 D22.2
Net-(D23-Pad2): length 21.5
  Bottom w0.25: D23.2 D23.2 95.95,50.5 97.4,56.46 101.49,58.96 MX23.2 99,57.42
Net-(D24-Pad2): length 18.5
  Bottom w0.25: MX24.2 115.34,49.63 113.9,43.69 D24.2 D24.2
Net-(D25-Pad2): length 18.5
  Bottom w0.25: MX25.2 64.01,40.04 62.56,34.1 D25.2 D25.2
Net-(D26-Pad2): length 18.5
  Bottom w0.25: D26.2 D26.2 81.45,31.15 82.89,37.09 MX26.2
Net-(D27-Pad2): length 18.5
  Bottom w0.25: MX27.2 100.84,30.28 99.4,24.34 D27.2 D27.2
Net-(D28-Pad2): length 18.5
  Bottom w0.25: MX28.2 118.33,19.35 122.76,15.13 D28.2 D28.2
Net-(D29-Pad2): length 18.5
  Bottom w0.25: MX29.2 131.48,33.14 135.9,28.92 D29.2 D29.2
Net-(D30-Pad2): length 18.5
  Bottom w0.25: MX30.2 163.99,106.31 165.43,100.37 D30.2 D30.2
Net-(D31-Pad2): length 18.5
  Bottom w0.25: MX31.2 181.94,113.12 183.38,107.18 D31.2 D31.2
Net-(D32-Pad2): length 18.5
  Bottom w0.25: MX32.2 199.89,119.93 201.34,113.99 D32.2 D32.2
Net-(D33-Pad2): length 18.5
  Bottom w0.25: D33.2 D33.2 220.41,116.16 218.97,122.1 MX33.2
Net-(D34-Pad2): length 18.5
  Bottom w0.25: D34.2 D34.2 240.05,116.03 238.6,121.97 MX34.2
Net-(D35-Pad2): length 18.5
  Bottom w0.25: D35.2 D35.2 258.56,120.52 257.12,126.46 MX35.2
Net-(D36-Pad2): length 18.5
  Bottom w0.25: D36.2 D36.2 169.93,81.86 168.48,87.8 MX36.2
Net-(D37-Pad2): length 18.5
  Bottom w0.25: D37.2 D37.2 187.88,88.67 186.44,94.61 MX37.2
Net-(D38-Pad2): length 18.5
  Bottom w0.25: MX38.2 204.39,101.41 205.83,95.47 D38.2 D38.2
Net-(D39-Pad2): length 18.5
  Bottom w0.25: MX39.2 223.46,103.59 224.9,97.65 D39.2 D39.2
Net-(D40-Pad2): length 18.5
  Bottom w0.25: MX40.2 243.1,103.46 244.54,97.52 D40.2 D40.2
Net-(D41-Pad2): length 18.5
  Bottom w0.25: MX41.2 261.61,107.95 263.05,102.01 D41.2 D41.2
Net-(D42-Pad2): length 18.5
  Bottom w0.25: MX42.2 172.98,69.29 174.42,63.35 D42.2 D42.2
Net-(D43-Pad2): length 18.5
  Bottom w0.25: D43.2 D43.2 192.37,70.15 190.93,76.09 MX43.2
Net-(D44-Pad2): length 18.5
  Bottom w0.25: MX44.2 208.88,82.9 210.32,76.96 D44.2 D44.2
Net-(D45-Pad2): length 18.5
  Bottom w0.25: MX45.2 227.95,85.08 229.39,79.14 D45.2 D45.2
Net-(D46-Pad2): length 18.5
  Bottom w0.25: D46.2 D46.2 249.03,79 247.59,84.94 MX46.2
Net-(D47-Pad2): length 18.5
  Bottom w0.25: D47.2 D47.2 267.54,83.49 266.1,89.44 MX47.2
Net-(D48-Pad2): length 18.5
  Bottom w0.25: MX48.2 177.47,50.78 178.91,44.83 D48.2 D48.2
Net-(D49-Pad2): length 18.5
  Bottom w0.25: D49.2 D49.2 196.86,51.64 195.42,57.58 MX49.2
Net-(D50-Pad2): length 18.5
  Bottom w0.25: MX50.2 213.37,64.39 214.81,58.45 D50.2 D50.2
Net-(D51-Pad2): length 18.5
  Bottom w0.25: MX51.2 232.45,66.57 233.89,60.63 D51.2 D51.2
Net-(D52-Pad2): length 18.5
  Bottom w0.25: D52.2 D52.2 253.52,60.49 252.08,66.43 MX52.2
Net-(D53-Pad2): length 18.5
  Bottom w0.25: D53.2 D53.2 272.04,64.98 270.59,70.92 MX53.2
Net-(D54-Pad2): length 18.5
  Bottom w0.25: MX54.2 159.96,29.63 155.54,25.41 D54.2 D54.2
Net-(D55-Pad2): length 18.5
  Bottom w0.25: D55.2 D55.2 168.69,11.62 173.11,15.84 MX55.2
Net-(D56-Pad2): length 18.5
  Bottom w0.25: MX56.2 191.97,31.42 193.41,25.48 D56.2 D56.2
Net-(D57-Pad2): length 18.5
  Bottom w0.25: MX57.2 209.92,38.23 211.36,32.29 D57.2 D57.2
Net-(D58-Pad2): length 18.5
  Bottom w0.25: MX58.2 228.8,41.18 230.25,35.24 D58.2 D58.2
Net-(SW1-Pad1): length 39.6
  Top w0.25: U1.22 152.87,87.62 152.87,113.31 SW1.1

## Copper pours and planes (outline as drawn; the poured copper is in the pictures)
GND on Top: 207.67,146.17 275.93,159.67 316.41,47.75 150.52,-19.72 -10.61,50.13 3.67,157.29 107.66,146.17
GND on Bottom: 206.45,142.12 274.71,155.61 315.19,43.69 149.3,-23.78 -11.83,46.07 2.46,153.23 106.44,142.12
